# Altium PCB CM4-Tower.PcbDoc (part 1 of 10) (continued)
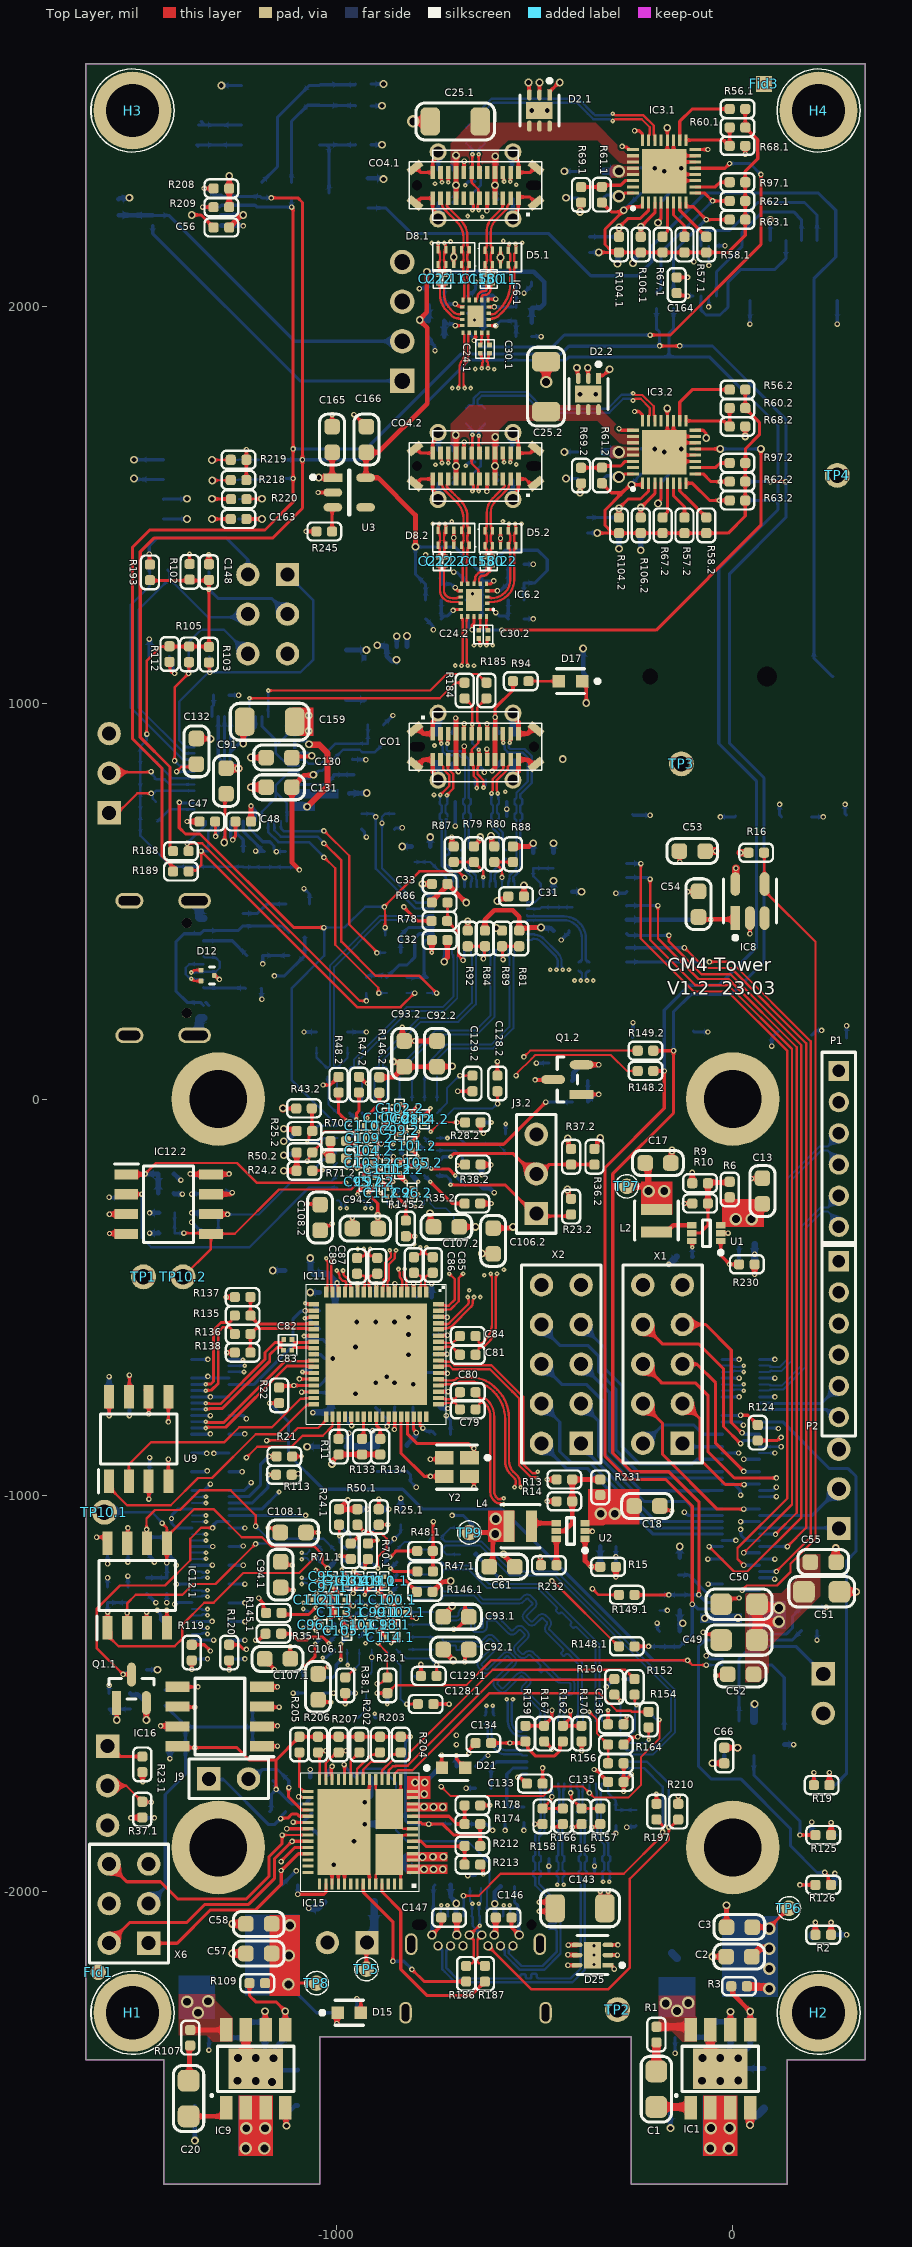
[diagram p0: Top Layer view]
## Classes and differential pairs (continued)
differential pair XDP0.2: +XDP0.2_P -XDP0.2_N
differential pair XDP0.1: +XDP0.1_P -XDP0.1_N
differential pair XAUX.2: +XAUX.2_P -XAUX.2_N
differential pair XAUX.1: +XAUX.1_P -XAUX.1_N
differential pair USB3_DFP_TX.2: +USB3_DFP_TX.2_P -USB3_DFP_TX.2_N
differential pair USB3_DFP_TX.1: +USB3_DFP_TX.1_P -USB3_DFP_TX.1_N
differential pair USB3_DFP_RX_C.2: +USB3_DFP_RX_C.2_P -USB3_DFP_RX_C.2_N
differential pair USB3_DFP_RX_C.1: +USB3_DFP_RX_C.1_P -USB3_DFP_RX_C.1_N
differential pair USB3_DFP_RX.2: +USB3_DFP_RX.2_P -USB3_DFP_RX.2_N
differential pair USB3_DFP_RX.1: +USB3_DFP_RX.1_P -USB3_DFP_RX.1_N
differential pair RX2_DFP.2: +RX2_DFP.2_P -RX2_DFP.2_N
differential pair RX2_DFP.1: +RX2_DFP.1_P -RX2_DFP.1_N
differential pair RX1_DFP.2: +RX1_DFP.2_P -RX1_DFP.2_N
differential pair RX1_DFP.1: +RX1_DFP.1_P -RX1_DFP.1_N
differential pair DP3.2: +DP3.2_P -DP3.2_N
differential pair DP2.2: +DP2.2_P -DP2.2_N
differential pair DP1.2: +DP1.2_P -DP1.2_N
differential pair DP0.2: +DP0.2_P -DP0.2_N
differential pair D_DFP_R.2: +D_DFP_R.2_P -D_DFP_R.2_N
differential pair D_DFP_R.1: +D_DFP_R.1_P -D_DFP_R.1_N
differential pair D_DFP.2: +D_DFP.2_P -D_DFP.2_N
differential pair D_DFP.1: +D_DFP.1_P -D_DFP.1_N
differential pair AUX.2: +AUX.2_P -AUX.2_N
differential pair USB1_TX: +USB1_TX_P -USB1_TX_N
differential pair USB1_RX: +USB1_RX_P -USB1_RX_N
differential pair DP_USB3_RX_C: +DP_USB3_RX_C_P -DP_USB3_RX_C_N
differential pair USB: +USB_P -USB_N
differential pair USB3_RX_C: +USB3_RX_C_P -USB3_RX_C_N
differential pair TX2: +TX2_P -TX2_N
differential pair TX2_C: +TX2_C_P -TX2_C_N
differential pair TX1: +TX1_P -TX1_N
differential pair TX1_C: +TX1_C_P -TX1_C_N
differential pair RX2: +RX2_P -RX2_N
differential pair RX1: +RX1_P -RX1_N
differential pair D: +D_P -D_N
differential pair DP_USB3_TX: +DP_USB3_TX_P -DP_USB3_TX_N
differential pair DP_USB3_RX: +DP_USB3_RX_P -DP_USB3_RX_N
differential pair DP_TX2: +DP_TX2_P -DP_TX2_N
differential pair DP_TX2_C: +DP_TX1_C_P -DP_TX1_C_N
differential pair DP_TX1: +DP_TX1_P -DP_TX1_N
differential pair DP_TX1_C: +DP_TX2_C_P -DP_TX2_C_N
differential pair DP_RX2: +DP_RX2_P -DP_RX2_N
differential pair DP_RX1: +DP_RX1_P -DP_RX1_N
differential pair DP_D: +DP_D_P -DP_D_N
differential pair DP3: +DP3_P -DP3_N
differential pair DP2: +DP2_P -DP2_N
differential pair DP1: +DP1_P -DP1_N
differential pair DP0: +DP0_P -DP0_N
differential pair AUX: +AUX_P -AUX_N
differential pair HDMI1_TD0: +HDMI1_TD0_P -HDMI1_TD0_N
differential pair USB4_TX_C: +USB4_TX_C_P -USB4_TX_C_N
differential pair USB3_TX_C: +USB3_TX_C_P -USB3_TX_C_N
differential pair USB2_TX_C: +USB2_TX_C_P -USB2_TX_C_N
differential pair USB1_TX_C: +USB1_TX_C_P -USB1_TX_C_N
differential pair RX_R: +RX_R_P -RX_R_N
differential pair HDMI1_TD2: +HDMI1_TD2_P -HDMI1_TD2_N
differential pair HDMI1_TD1: +HDMI1_TD1_P -HDMI1_TD1_N
differential pair HDMI1_CK: +HDMI1_CK_P -HDMI1_CK_N
differential pair CLK: +CLK_P -CLK_N
differential pair CLK_R: +CLK_R_P -CLK_R_N
differential pair PCIe_TX: +PCIe_TX_P -PCIe_TX_N
differential pair PCIe_RX: +PCIe_RX_P -PCIe_RX_N
differential pair HDMI0_TD2: +HDMI0_TD2_P -HDMI0_TD2_N
differential pair HDMI0_TD1: +HDMI0_TD1_P -HDMI0_TD1_N
differential pair HDMI0_TD0: +HDMI0_TD0_P -HDMI0_TD0_N
differential pair HDMI0_CK: +HDMI0_CK_P -HDMI0_CK_N

## Components (designator, comment, footprint, x,y, rotation, side; value= is the part's Value field where it differs from the comment)
B1 "BATTERY HOLDER CR1220" BC501SM_CR1220 -70.87,1066.93 r0 bottom locked
C1 "0.1uF" C0805 -193.13,-2500 r270 top value=0.1µF
C2 "10uF" C0603 15.75,-2165.35 r180 top value=10µF
C3 "10uF" C0603 16.67,-2090.91 r180 top value=10µF
C4 "10uF" C1206 -94.49,-2539.37 r180 bottom value=10µF
C5 "0.1uF" C0805 78.74,-2503.94 r90 bottom value=0.1µF
C6 "1nF" C0402 -5.25,-2349.44 r270 bottom
C7 "1.2nF" C0402 -125.98,-2370.08 r180 bottom
C8 "10uF" C0603 -822.84,-907.34 r270 bottom value=10µF
C9 "1uF" C0603 -1098.43,-433.07 r180 bottom
C10 "0.1uF" C0402 -818.9,-690.66 r180 bottom
C11 "0.1uF" C0402 -775.59,-549.07 r180 bottom
C12 "0.1uF" C0402 -854.33,-517.57 r270 bottom
C13 "10uF" C0603 74.8,-232.28 r90 top value=10µF
C14 "0.1uF" C0402 -807.09,-757.73 r90 bottom
C15 "0.1uF" C0402 -1023.62,-488.42 r180 bottom
C16 "33pF" C0402 35.43,-417.32 r180 bottom
C17 "10uF" C0603 -188.98,-161.42 r0 top value=10µF
C18 "10uF" C0603 -216.54,-1027.56 r0 top value=10µF
C19 "33pF" C0402 -314.96,-1129.92 r180 bottom
C20 "0.1uF" C0805 -1374.02,-2523.62 r270 top value=0.1µF
C21.1 "0.1uF" C0201 -744.09,2070.87 r270 top (schematic designator C21)
C21.2 "0.1uF" C0201 -744.09,1358.27 r270 top (schematic designator C21)
C22.1 "0.1uF" C0201 -724.41,2070.87 r270 top (schematic designator C22)
C22.2 "0.1uF" C0201 -724.41,1358.27 r270 top (schematic designator C22)
C23.1 "0.1uF" C0402 -649.61,1984.25 r180 bottom (schematic designator C23)
C23.2 "0.1uF" C0402 -653.54,1307.09 r180 bottom (schematic designator C23)
C24.1 "0.1uF" C0201 -614.17,1893.7 r270 top (schematic designator C24)
C24.2 "0.1uF" C0201 -618.11,1173.23 r270 top (schematic designator C24)
C25.1 "10uF" C1206 -700.79,2468.5 r180 top value=10µF (schematic designator C25)
C25.2 "10uF" C1206 -471.43,1798.75 r90 top value=10µF (schematic designator C25)
C26.1 "10nF" C0402 -578.74,2346.46 r0 bottom (schematic designator C26)
C26.2 "10nF" C0402 -578.74,1637.61 r0 bottom (schematic designator C26)
C27.1 "10nF" C0402 -724.41,2263.78 r180 bottom (schematic designator C27)
C27.2 "10nF" C0402 -724.41,1554.93 r180 bottom (schematic designator C27)
C28.1 "10nF" C0402 -724.41,2346.46 r180 bottom (schematic designator C28)
C28.2 "10nF" C0402 -724.41,1637.61 r180 bottom (schematic designator C28)
C29.1 "10nF" C0402 -574.8,2271.65 r0 bottom (schematic designator C29)
C29.2 "10nF" C0402 -574.8,1562.81 r0 bottom (schematic designator C29)
C30.1 "0.1uF" C0201 -637.8,1893.7 r270 top (schematic designator C30)
C30.2 "0.1uF" C0201 -641.73,1173.23 r270 top (schematic designator C30)
C31 "0.1uF" C0402 -547.24,511.81 r180 top
C32 "0.1uF" C0402 -740.16,401.57 r180 top
C33 "0.1uF" C0402 -740.16,543.31 r0 top
C34 "0.1uF" C0402 -433.07,425.2 r0 bottom
C35 "0.1uF" C0201 -572.85,617.58 r270 bottom
C36 "0.1uF" C0201 -389.76,334.65 r270 bottom
C37 "10uF" C1206 -976.38,1070.87 r90 bottom value=10µF
C38 "10nF" C0402 -728.35,846.46 r180 bottom
C39 "10nF" C0402 -564.57,853.78 r0 bottom
C40 "10nF" C0402 -728.35,925.2 r180 bottom
C41 "10nF" C0402 -570.87,925.2 r0 bottom
C42 "0.1uF" C0201 -600.85,617.58 r270 bottom
C43 "0.1uF" C0201 -362.2,334.65 r270 bottom
C44 "0.1uF" C0201 -685.43,618.11 r270 bottom
C45 "0.1uF" C0201 -657.09,618.11 r270 bottom
C46 "10uF" C1206 -968.5,-2027.56 r180 bottom value=10µF
C47 "220pF" C0402 -1326.77,700.79 r180 top
C48 "220pF" C0402 -1236.22,700.79 r0 top
C49 "47uF" C0805 15.75,-1366.14 r180 top value=47µF
C50 "47uF" C0805 15.75,-1275.59 r180 top value=47µF
C51 "47uF" C0805 224.41,-1244.09 r0 top value=47µF
C52 "10uF" C0603 19.69,-1452.76 r180 top value=10µF
C53 "10uF" C0603 -102.36,625.98 r180 top value=10µF
C54 "10uF" C0603 -86.61,492.13 r90 top value=10µF
C55 "1uF" C0603 228.35,-1169.29 r0 top
C56 "0.1uF" C0402 -1291.34,2200.79 r180 top
C57 "10uF" C0603 -1196.85,-2157.48 r180 top value=10µF
C58 "10uF" C0603 -1196.85,-2082.68 r180 top value=10µF
C59 "0.1uF" C0402 -995.3,-626.64 r0 bottom
C60 "0.1uF" C0402 -853.16,-757.73 r90 bottom
C61 "10uF" C0603 -582.68,-1181.1 r0 top value=10µF
C62 "10uF" C1206 -1295.26,-2543.34 r180 bottom value=10µF
C63 "0.1uF" C0805 -1111.2,-2496.44 r90 bottom value=0.1µF
C64 "56pF" C0402 -1181.09,-2350.43 r270 bottom
C65 "2.7nF" C0402 -1303.15,-2370.08 r180 bottom
C66 "0.1uF" C0402 -21.65,-1657.5 r270 top
C67 "0.1uF" C0402 -995.3,-744.92 r0 bottom
C68 "10uF" C0603 -897.65,-908.02 r270 bottom value=10µF
C69 "1uF" C0603 -1007.11,-877.61 r180 bottom
C70 "0.1uF" C0402 -901.57,-759.84 r90 bottom
C71 "0.1uF" C0402 -779.53,-499.97 r0 bottom
C72 "0.1uF" C0402 -1066.16,-661.07 r90 bottom
C73 "0.1uF" C0402 -775.59,-595.14 r180 bottom
C74 "0.1uF" C0402 -948.82,-517.58 r270 bottom
C75 "0.1uF" C0402 -775.59,-644.59 r180 bottom
C76 "0.1uF" C0402 -740.16,-757.73 r270 bottom
C77 "0.1uF" C0402 -902.75,-517.58 r270 bottom
C78 "0.1uF" C0402 -1574.8,-751.97 r270 bottom
C79 "0.1uF" C0402 -669.29,-783.46 r180 top
C80 "0.1uF" C0402 -669.29,-740.16 r180 top
C81 "0.1uF" C0402 -669.29,-645.67 r180 top
C82 "0.1uF" C0201 -1123.43,-607.35 r180 top
C83 "0.1uF" C0201 -1124.2,-634.54 r180 top
C84 "0.1uF" C0402 -669.29,-598.43 r180 top
C85 "0.1uF" C0402 -757.55,-419.02 r270 top
C86 "0.1uF" C0402 -805.35,-419.02 r270 top
C87 "0.1uF" C0402 -897.64,-421.26 r270 top
C88 "12pF" C0402 -653.54,-929.13 r270 bottom
C89 "0.1uF" C0402 -948.82,-421.26 r270 top
C90 "12pF" C0402 -732.28,-929.13 r90 bottom
C91 "10uF" C0603 -1279.53,803.15 r90 top value=10µF
C92.1 "10uF" C0603 -699.03,-1389.94 r0 top value=10µF (schematic designator C92)
C92.2 "10uF" C0603 -746.9,114.17 r90 top value=10µF (schematic designator C92)
C93.1 "10uF" C0603 -699.03,-1307.27 r0 top value=10µF (schematic designator C93)
C93.2 "10uF" C0603 -829.57,114.17 r90 top value=10µF (schematic designator C93)
C94.1 "10uF" C0603 -1141.73,-1200.79 r90 top value=10µF (schematic designator C94)
C94.2 "10uF" C0603 -928,-326.77 r180 top value=10µF (schematic designator C94)
C95.1 "0.1uF" C0201 -1021.87,-1204.9 r0 top (schematic designator C95)
C95.2 "0.1uF" C0201 -931.93,-208.66 r90 top (schematic designator C95)
C96.1 "0.1uF" C0201 -1049.43,-1326.95 r180 top (schematic designator C96)
C96.2 "0.1uF" C0201 -809.89,-236.22 r270 top (schematic designator C96)
C97.1 "0.1uF" C0201 -1021.87,-1232.46 r0 top (schematic designator C97)
C97.2 "0.1uF" C0201 -904.38,-208.66 r90 top (schematic designator C97)
C98.1 "0.1uF" C0201 -864.39,-1326.95 r180 top (schematic designator C98)
C98.2 "0.1uF" C0201 -809.89,-51.18 r270 top (schematic designator C98)
C99.1 "0.1uF" C0201 -891.95,-1295.46 r180 top (schematic designator C99)
C99.2 "0.1uF" C0201 -841.38,-78.74 r270 top (schematic designator C99)
C100.1 "0.1uF" C0201 -860.45,-1263.96 r180 top (schematic designator C100)
C100.2 "0.1uF" C0201 -872.88,-47.24 r270 top (schematic designator C100)
C101.1 "0.1uF" C0201 -931.32,-1326.95 r0 top (schematic designator C101)
C101.2 "0.1uF" C0201 -809.89,-118.11 r90 top (schematic designator C101)
C102.1 "0.1uF" C0201 -836.83,-1295.46 r0 top (schematic designator C102)
C102.2 "0.1uF" C0201 -841.38,-23.62 r90 top (schematic designator C102)
C103.1 "0.1uF" C0201 -974.62,-1216.72 r270 top (schematic designator C103)
C103.2 "0.1uF" C0201 -920.12,-161.42 r0 top (schematic designator C103)
C104.1 "0.1uF" C0201 -943.13,-1216.72 r270 top (schematic designator C104)
C104.2 "0.1uF" C0201 -920.12,-129.92 r0 top (schematic designator C104)
C105.1 "0.1uF" C0201 -974.62,-1342.7 r270 top (schematic designator C105)
C105.2 "0.1uF" C0201 -794.14,-161.42 r0 top (schematic designator C105)
C106.1 "10uF" C0603 -1047.24,-1484.25 r90 top value=10µF (schematic designator C106)
C106.2 "10uF" C0603 -605.16,-358.27 r270 top value=10µF (schematic designator C106)
C107.1 "10uF" C0603 -1149.61,-1413.39 r180 top value=10µF (schematic designator C107)
C107.2 "10uF" C0603 -723.27,-322.83 r180 top value=10µF (schematic designator C107)
C108.1 "10uF" C0603 -1110.24,-1094.49 r180 top value=10µF (schematic designator C108)
C108.2 "10uF" C0603 -1042.17,-299.21 r270 top value=10µF (schematic designator C108)
C109.1 "0.1uF" C0201 -911.63,-1218.09 r270 top (schematic designator C109)
C109.2 "0.1uF" C0201 -918.75,-98.43 r0 top (schematic designator C109)
C110.1 "0.1uF" C0201 -880.14,-1216.72 r270 top (schematic designator C110)
C110.2 "0.1uF" C0201 -920.12,-66.93 r0 top (schematic designator C110)
C111.1 "0.1uF" C0201 -990.37,-1263.96 r0 top (schematic designator C111)
C111.2 "0.1uF" C0201 -872.88,-177.17 r90 top (schematic designator C111)
C112.1 "0.1uF" C0201 -1049.43,-1263.96 r180 top (schematic designator C112)
C112.2 "0.1uF" C0201 -872.88,-236.22 r270 top (schematic designator C112)
C113.1 "0.1uF" C0201 -990.37,-1295.46 r0 top (schematic designator C113)
C113.2 "0.1uF" C0201 -841.38,-177.17 r90 top (schematic designator C113)
C114.1 "0.1uF" C0201 -864.39,-1358.45 r180 top (schematic designator C114)
C114.2 "0.1uF" C0201 -778.39,-51.18 r270 top (schematic designator C114)
C115.1 "0.1uF" C0201 -746.25,-1106.65 r180 bottom (schematic designator C115)
C115.2 "0.1uF" C0201 -1023.62,66.93 r270 bottom (schematic designator C115)
C116.1 "0.1uF" C0201 -745.47,-1137.8 r180 bottom (schematic designator C116)
C116.2 "0.1uF" C0201 -1000,66.93 r270 bottom (schematic designator C116)
C117.1 "0.1uF" C0402 -1578.74,-1125.98 r90 bottom (schematic designator C117)
C117.2 "0.1uF" C0402 -1342.39,-216.67 r90 bottom (schematic designator C117)
C118.1 "0.1uF" C0201 -746.28,-1169.47 r180 bottom (schematic designator C118)
C118.2 "0.1uF" C0201 -967.37,66.93 r270 bottom (schematic designator C118)
C119.1 "0.1uF" C0201 -746.28,-1200.97 r180 bottom (schematic designator C119)
C119.2 "0.1uF" C0201 -935.87,66.93 r270 bottom (schematic designator C119)
C120.1 "0.1uF" C0201 -746.28,-1232.46 r180 bottom (schematic designator C120)
C120.2 "0.1uF" C0201 -904.38,66.93 r270 bottom (schematic designator C120)
C121.1 "0.1uF" C0201 -746.28,-1263.96 r180 bottom (schematic designator C121)
C121.2 "0.1uF" C0201 -872.88,66.93 r270 bottom (schematic designator C121)
C122.1 "0.1uF" C0201 -746.28,-1295.46 r180 bottom (schematic designator C122)
C122.2 "0.1uF" C0201 -841.38,66.93 r270 bottom (schematic designator C122)
C123.1 "0.1uF" C0201 -746.28,-1326.95 r180 bottom (schematic designator C123)
C123.2 "0.1uF" C0201 -809.89,66.93 r270 bottom (schematic designator C123)
C124.1 "0.1uF" C0201 -746.28,-1358.45 r180 bottom (schematic designator C124)
C124.2 "0.1uF" C0201 -778.39,66.93 r270 bottom (schematic designator C124)
C125.1 "0.1uF" C0201 -746.28,-1389.94 r180 bottom (schematic designator C125)
C125.2 "0.1uF" C0201 -746.9,66.93 r270 bottom (schematic designator C125)
C126.1 "0.1uF" C0402 -649.61,2027.56 r180 bottom (schematic designator C126)
C126.2 "0.1uF" C0402 -653.54,1259.84 r180 bottom (schematic designator C126)
C127.1 "10uF" C0603 -358.27,2342.52 r180 bottom value=10µF (schematic designator C127)
C127.2 "10uF" C0603 -358.27,1633.67 r180 bottom value=10µF (schematic designator C127)
C128.1 "22pF" C0402 -775.59,-1527.56 r180 top (schematic designator C128)
C128.2 "22pF" C0402 -594.49,39.37 r270 top (schematic designator C128)
C129.1 "22pF" C0402 -767.72,-1456.69 r0 top (schematic designator C129)
C129.2 "22pF" C0402 -657.48,39.37 r90 top (schematic designator C129)
C130 "10uF" C0603 -1145.67,862.2 r180 top value=10µF
C131 "10uF" C0603 -1145.67,787.4 r180 top value=10µF
C132 "10uF" C0603 -1354.33,877.95 r90 top value=10µF
C133 "0.1uF" C0402 -500,-1728.35 r0 top
C134 "0.1uF" C0402 -629.92,-1625.98 r180 top
C135 "0.1uF" C0402 -295.28,-1724.41 r180 top
C136 "0.1uF" C0402 -295.28,-1578.74 r0 top
C137 "0.1uF" C0201 -444.88,-1811.02 r90 bottom
C138 "0.1uF" C0201 -602.36,-1566.93 r90 bottom
C139 "0.1uF" C0201 -421.26,-1811.02 r90 bottom
C140 "0.1uF" C0201 -625.98,-1566.93 r90 bottom
C141 "0.1uF" C0201 -370.08,-1811.02 r90 bottom
C142 "0.1uF" C0201 -393.7,-1811.02 r90 bottom
C143 "10uF" C1206 -385.83,-2043.31 r0 top value=10µF
C144 "10nF" C0402 -566.93,-1988.19 r0 bottom
C145 "10nF" C0402 -732.28,-1984.25 r180 bottom
C146 "10nF" C0402 -578.74,-2066.93 r0 top
C147 "10nF" C0402 -716.54,-2066.93 r180 top
C148 "0.1uF" C0402 -1322.83,1330.71 r90 top
C149 "0.1uF" C0402 -692.91,-1830.71 r0 bottom
C150.1 "0.1uF" C0201 -606.55,2070.41 r270 top (schematic designator C150)
C150.2 "0.1uF" C0201 -606.3,1358.27 r270 top (schematic designator C150)
C151 "10uF" C0603 -849.41,-1830.71 r180 bottom value=10µF
C152 "10uF" C0603 -1039.37,-1897.64 r270 bottom value=10µF
C153 "220pF" C0402 -1047.24,-1712.6 r180 bottom
C154 "220pF" C0402 -933.07,-1712.6 r0 bottom
C155.1 "10uF" C0603 -358.27,2275.59 r180 bottom value=10µF (schematic designator C155)
C155.2 "10uF" C0603 -358.27,1566.74 r180 bottom value=10µF (schematic designator C155)
C156.1 "10uF" C0603 -161.42,2318.9 r90 bottom value=10µF (schematic designator C156)
C156.2 "10uF" C0603 -161.42,1610.05 r90 bottom value=10µF (schematic designator C156)
C157.1 "10uF" C0603 -232.28,2318.9 r90 bottom value=10µF (schematic designator C157)
C157.2 "10uF" C0603 -232.28,1610.05 r90 bottom value=10µF (schematic designator C157)
C158.1 "0.1uF" C0201 -626.11,2070.79 r270 top (schematic designator C158)
C158.2 "0.1uF" C0201 -625.98,1358.27 r270 top (schematic designator C158)
C159 "10uF" C1206 -1169.29,952.76 r180 top value=10µF
C160 "0.1uF" C0402 -1401.57,-1637.8 r180 bottom
C161 "10uF" C1206 -897.64,-1925.2 r180 bottom value=10µF
C162 "0.1uF" C0402 -933.07,2409.45 r0 bottom
C163 "0.1uF" C0402 -1248.03,1464.57 r180 top
C164 "0.1uF" C0402 -141.73,2055.12 r270 top
C165 "1uF" C0603 -1011.81,1665.35 r90 top
C166 "1uF" C0603 -925.2,1665.35 r90 top
CO1 "USB4070-30-C" USB4070-30-C -649.61,889.76 r0 top locked
CO3 "µSD-Card" 693071030811 0,437.01 r270 bottom
CO4.1 "USB4070-30-C" USB4070-30-C -649.61,2307.09 r180 top locked (schematic designator CO4)
CO4.2 "USB4070-30-C" USB4070-30-C -649.61,1598.43 r180 top locked (schematic designator CO4)
CO5 "USB4056-03-A" USB4056-03-A -649.61,-2307.09 r180 bottom locked
D1 "GREEN" LED_0603 228.35,-2110.24 r180 bottom
D2.1 "TVS2200DRVR" TVS2200D_SON_6 -488.19,2496.06 r270 top value=105pF (schematic designator D2)
D2.2 "TVS2200DRVR" TVS2200D_SON_6 -364.68,1780.08 r270 top value=105pF (schematic designator D2)
D3.1 "BAT41KFILM" BAT41KFILM_SOD-523-2 -927.38,-1563.17 r0 bottom value=3pF (schematic designator D3)
D3.2 "BAT41KFILM" BAT41KFILM_SOD-523-2 -573.67,-114.17 r90 bottom value=3pF (schematic designator D3)
D4.1 "TPD2EUSB30DRTR" TPD2EUSB30DRTR_SOT-3 -650.52,2333.77 r270 bottom (schematic designator D4)
D4.2 "TPD2EUSB30DRTR" TPD2EUSB30DRTR_SOT-3 -650.52,1624.92 r270 bottom (schematic designator D4)
D5.1 "PUSB3FA2Z" PUSB3FA2Z_DFN_2510_10 -586.61,2125 r0 top (schematic designator D5)
D5.2 "PUSB3FA2Z" PUSB3FA2Z_DFN_2510_10 -586.61,1416.15 r0 top (schematic designator D5)
D6 "TPD2EUSB30DRTR" TPD2EUSB30DRTR_SOT-3 -637.8,822.83 r90 bottom
D7 "PUSB3FA2Z" PUSB3FA2Z_DFN_2510_10 -700.79,732.28 r180 bottom
D8.1 "PUSB3FA2Z" PUSB3FA2Z_DFN_2510_10 -704.72,2125.98 r180 top (schematic designator D8)
D8.2 "PUSB3FA2Z" PUSB3FA2Z_DFN_2510_10 -704.72,1417.14 r180 top (schematic designator D8)
D9 "PUSB3FA2Z" PUSB3FA2Z_DFN_2510_10 -570.87,732.28 r180 bottom
D10 "GREEN" LED_0603 228.35,-1732.28 r180 bottom
D11 "GREEN" LED_0603 -1098.43,492.13 r180 bottom
D12 "TPD2EUSB30DRTR" TPD2EUSB30DRTR_SOT-3 -1325.85,311.84 r0 top
D13 "GREEN" LED_0603 228.35,-1858.27 r180 bottom
D14 "GREEN" LED_0603 228.35,-1984.25 r180 bottom
D15 "GREEN" LED_0603 -968.5,-2307.09 r0 top
D17 "GREEN" LED_0603 -409.45,1055.12 r180 top
D19 "TPD2EUSB30DRTR" TPD2EUSB30DRTR_SOT-3 -649.61,-1976.38 r90 bottom
D20 "PUSB3FA2Z" PUSB3FA2Z_DFN_2510_10 -464.57,-1937.01 r0 bottom
D21 "GREEN" LED_0603 -704.72,-1688.98 r0 top
D22 "PUSB3FA2Z" PUSB3FA2Z_DFN_2510_10 -349.23,-1937.01 r180 bottom
D24 "TVS2200DRVR" TVS2200D_SON_6 -848.43,1102.34 r270 bottom value=105pF
D25 "TVS2200DRVR" TVS2200D_SON_6 -354.33,-2161.42 r180 top value=105pF
D26 "BAT54C" BAT54C_SOT_23_3 -964.57,2287.4 r180 bottom value=10pF
Fid1 "Fiducial" FidR_1.0mm -1602.36,-2204.72 r0 top
Fid2 "Fiducial" FidR_1.0mm 295.28,-2179.13 r180 bottom locked
Fid3 "Fiducial" FidS_1.0mm 78.74,2562.99 r0 top locked
Fid4 "Fiducial" FidS_1.0mm -1594.49,2338.58 r180 bottom locked
H1 "Hole M3" HOLE_M3 -1515.75,-2307.09 r0 top locked
H2 "Hole M3" HOLE_M3 216.54,-2307.09 r0 top locked
H3 "Hole M3" HOLE_M3 -1515.75,2496.06 r0 top locked
H4 "Hole M3" HOLE_M3 216.54,2496.06 r0 top locked
IC1 "AP64501SP-13" AP64501SP-13_SOIC_8 -31.5,-2448.82 r0 top
IC2.1 "STDP2600" STDP2600_BGA-81 -943.13,-1263.96 r270 bottom (schematic designator IC2)
IC2.2 "STDP2600" STDP2600_BGA-81 -872.88,-129.92 r0 bottom (schematic designator IC2)
IC3.1 "TPS25814RSMR" TPS25814RSMR_VQFN_32 -173.23,2342.52 r90 top (schematic designator IC3)
IC3.2 "TPS25814RSMR" TPS25814RSMR_VQFN_32 -173.23,1633.67 r90 top (schematic designator IC3)
IC4 "TUSB1046-DCIRNQR" TUSB1046_WQFN_40 -637.8,456.69 r180 bottom
IC5 "MX25L8006EM1I-12G" SOIC127P600X175-8N -1397.17,1224.26 r90 bottom
IC6.1 "TUSB542RWQR" TUSB542_X2QFN_18 -649.61,1976.38 r180 top (schematic designator IC6)
IC6.2 "TUSB542RWQR" TUSB542_X2QFN_18 -653.54,1259.84 r180 top (schematic designator IC6)
IC7 "EMC2301" EMC2301-1-ACZL-TR_MSOP-8 -1377.95,2244.09 r270 bottom
IC8 "RT9742" RT9742GGJ5_SOT_23_5 43.31,500 r90 top
IC9 "AP64501SP-13" AP64501SP-13_SOIC_8 -1204.51,-2448.85 r0 top
IC11 "VL805-Q6" VL805-Q6_QFN-68G -900.4,-644.56 r270 top locked
IC12.1 "SST25PF020B-80-4C-SAE" SST25PF020B-80-4C-SAE_SOIC_8 -1503.94,-1228.35 r90 top (schematic designator IC12)
IC12.2 "SST25PF020B-80-4C-SAE" SST25PF020B-80-4C-SAE_SOIC_8 -1424.59,-265.29 r0 top (schematic designator IC12)
IC13 "TPS65987DDHRSHR" TPS65987D_VQFN-56 -1228.35,833.66 r180 bottom
IC14 "TUSB1046-DCIRNQR" TUSB1046_WQFN_40 -401.57,-1649.61 r0 bottom locked
IC15 "TPS65987DDHRSHR" TPS65987D_VQFN-56 -940.94,-1850.39 r180 top locked
IC16 "MX25L8006EM1I-12G" SOIC127P600X175-8N -1295.28,-1559.06 r180 top
J1 "PLS-3" PLS-3-3D 267.72,-1084.25 r90 bottom
J2 "PLS-2" PLS-2-3D 228.35,-1451.18 r270 bottom
J3.1 "PLS-3" PLS-3-3D -1578.74,-1633.86 r270 bottom (schematic designator J3)
J3.2 "PLS-3" PLS-3-3D -496.06,-288.98 r90 top (schematic designator J3)
J4 "PLS-3" PLS-3-3D -1574.8,722.83 r90 bottom
J5 "CM4-1" CM4_CON_A 20.08,-1043.31 r90 bottom locked
J6 "CM4-1" CM4_CON_B -1319.29,-1043.31 r90 bottom locked
J7 "22-05-3041" FP-22-05-3041-MFG -1113.09,1963.39 r90 bottom locked
J8 "SM04B-SRSS-TB" SM04B 153.54,1988.19 r0 bottom
J9 "PLS-2" PLS-2-3D -1322.83,-1716.54 r0 top
J11 "PLS-2" PLS-2-3D -923.62,-2129.92 r180 bottom
J12 "USB4105-GF-A" USB4105-GF-A -1478.44,330.71 r90 bottom locked
L1 "SRN6045TA-3R3Y" SRN6045TA -59.06,-2169.29 r0 bottom
L2 "NRH2410T1R0NN4" NRH2410 -192.91,-307.09 r90 top value=1uH
L3 "SRN6045TA-3R3Y" SRN6045TA -1271.65,-2165.35 r0 bottom
L4 "NRH2410T1R0NN4" NRH2410 -536.42,-1078.74 r180 top value=1uH
MO1 "CM4_module" CM4_step -602.36,41866.14 r90 bottom
P1 "62000611121" 62000611121 267.72,-125.98 r270 top
P2 "62000611121" 62000611121 267.72,-606.3 r270 top
Q1.1 "FDV301N" FDV301N_SOT_23 -1518.16,-1488.91 r90 top (schematic designator Q1)
Q1.2 "FDV301N" FDV301N_SOT_23 -417.72,49.21 r180 top (schematic designator Q1)
R1 "100" R0402#1 -132.28,-2361.42 r90 top
R2 "150" R0402#1 227.56,-2049.61 r180 top
R3 "12K" R0402#1 14.96,-2179.53 r180 top
R4 "20K" R0402#1 6.38,-2350.23 r270 bottom
R5 "2.2K" R0402#1 104.38,-2350.23 r270 bottom
R6 "0" R0402#1 52.76,-227.56 r90 top
R7 "10k" R0402#1 -1462.99,-752.76 r270 bottom value=10K
R8 "0" R0402#1 -122.83,-458.27 r180 bottom
R9 "15K" R0402#1 -81.89,-273.23 r0 top
R10 "15K" R0402#1 -83.46,-203.15 r180 top
R11 "10k" R0402#1 -1055.93,-878.4 r270 top value=10K
R12 "200K" R0402#1 -315.75,-1241.73 r180 bottom
R13 "15K" R0402#1 -424.41,-1021.26 r0 top
R14 "15K" R0402#1 -425.98,-955.12 r180 top
R15 "200K" R0402#1 -314.17,-1241.73 r0 top
R16 "12K" R0402#1 59.84,561.42 r0 top
R17 "2.2K" R0402#1 -1099.7,481.89 r0 bottom
R18 "2.2K" R0402#1 -1101.28,301.57 r180 bottom
R19 "150" R0402#1 225.2,-1792.91 r0 top
R20 "150" R0402#1 -1296.85,449.61 r90 bottom
R21 "2.2K" R0402#1 -1133.18,-841.67 r180 top
R22 "0" R0402#1 -1085.04,-747.24 r90 top
R23.1 "2K" R0402#1 -1551.56,-1680.73 r270 top (schematic designator R23)
R23.2 "2K" R0402#1 -347.68,-270.87 r90 top (schematic designator R23)
R24.1 "20K" R0402#1 -933.68,-1054.51 r90 top (schematic designator R24)
R24.2 "20K" R0402#1 -1082.33,-120.47 r180 top (schematic designator R24)
R25.1 "4.7K" R0402#1 -833.29,-1054.51 r90 top (schematic designator R25)
R25.2 "4.7K" R0402#1 -1082.33,-20.08 r180 top (schematic designator R25)
R26.1 "20K" R0402#1 -1054.94,-1054.51 r90 bottom (schematic designator R26)
R26.2 "20K" R0402#1 -1082.33,-241.73 r180 bottom (schematic designator R26)
R27.1 "10k" R0402#1 -1466.93,-1126.77 r270 bottom value=10K (schematic designator R27)
R27.2 "10k" R0402#1 -1351.84,-215.88 r90 bottom value=10K (schematic designator R27)
R28.1 "0" R0402#1 -811.63,-1479.71 r90 top (schematic designator R28)
R28.2 "0" R0402#1 -657.13,1.57 r180 top (schematic designator R28)
R29.1 "1K" R0402#1 -1500.79,-1501.57 r180 bottom (schematic designator R29)
R29.2 "1K" R0402#1 -403.94,70.08 r270 bottom (schematic designator R29)
R30.1 "1K" R0402#1 -1635.88,-1520.02 r90 bottom (schematic designator R30)
R30.2 "1K" R0402#1 -386.61,-68.5 r180 bottom (schematic designator R30)
R31.1 "100k" R0402#1 -668.5,-1022.05 r0 bottom value=100K (schematic designator R31)
R31.2 "100k" R0402#1 -1111.81,150.39 r90 bottom value=100K (schematic designator R31)
R32.1 "20K" R0402#1 -1581.89,-1520.02 r90 bottom (schematic designator R32)
R32.2 "20K" R0402#1 -386.61,-14.52 r180 bottom (schematic designator R32)
R33.1 "100k" R0402#1 -668.5,-1088.98 r0 bottom value=100K (schematic designator R33)
R33.2 "100k" R0402#1 -1033.07,150.39 r90 bottom value=100K (schematic designator R33)
R34.1 "47K" R0402#1 -777.95,-1055.91 r270 bottom (schematic designator R34)
R34.2 "47K" R0402#1 -1080.75,-20.08 r0 bottom (schematic designator R34)
R35.1 "1M" R0402#1 -1159.19,-1410.63 r0 top (schematic designator R35)
R35.2 "1M" R0402#1 -658.27,-203.15 r180 top (schematic designator R35)
R36.1 "4.7K" R0402#1 -1551.56,-1794.32 r90 bottom (schematic designator R36)
R36.2 "4.7K" R0402#1 -409.89,-146.46 r270 top (schematic designator R36)
R37.1 "4.7K" R0402#1 -1551.56,-1794.9 r270 top (schematic designator R37)
R37.2 "4.7K" R0402#1 -347.68,-144.88 r90 top (schematic designator R37)
R38.1 "4.7K" R0402#1 -917.93,-1479.71 r90 top (schematic designator R38)
R38.2 "4.7K" R0402#1 -657.13,-104.72 r180 top (schematic designator R38)
R39.1 "4.7K" R0402#1 -917.93,-1481.28 r270 bottom (schematic designator R39)
R39.2 "4.7K" R0402#1 -655.56,-104.72 r0 bottom (schematic designator R39)
R40.1 "4.7K" R0402#1 -1540.95,-1125.2 r90 bottom (schematic designator R40)
R40.2 "4.7K" R0402#1 -1317.98,-230.84 r0 bottom (schematic designator R40)
R41.1 "4.7K" R0402#1 -1368.5,-1126.77 r270 bottom (schematic designator R41)
R41.2 "4.7K" R0402#1 -1319.55,-399.34 r180 bottom (schematic designator R41)
R42.1 "10k" R0402#1 -1024.23,-1481.28 r270 bottom value=10K (schematic designator R42)
R42.2 "10k" R0402#1 -725.2,-383.46 r180 bottom value=10K (schematic designator R42)
R43.1 "1M" R0402#1 -833.29,-1056.09 r270 bottom (schematic designator R43)
R43.2 "1M" R0402#1 -1081.89,-84.25 r0 top (schematic designator R43)
R44 "2M" R0402#2 -854.33,700.79 r270 bottom
R45.1 "4.7K" R0402#1 -1540.94,-1227.56 r90 bottom (schematic designator R45)
R45.2 "4.7K" R0402#1 -1428.35,-226.77 r0 bottom (schematic designator R45)
R46.1 "4.7K" R0402#1 -1368.5,-1229.13 r270 bottom (schematic designator R46)
R46.2 "4.7K" R0402#1 -1429.92,-399.21 r180 bottom (schematic designator R46)
R47.1 "20K" R0402#1 -777.56,-1132.07 r180 top (schematic designator R47)
R47.2 "20K" R0402#1 -1004.77,35.65 r270 top (schematic designator R47)
R48.1 "20K" R0402#1 -777.96,-1080.64 r180 top (schematic designator R48)
R48.2 "20K" R0402#1 -1056.2,35.25 r270 top (schematic designator R48)
R49.1 "4.7K" R0402#1 -887.42,-1056.09 r270 bottom (schematic designator R49)
R49.2 "4.7K" R0402#1 -1080.75,-74.21 r0 bottom (schematic designator R49)
R50.1 "4.7K" R0402#1 -887.42,-1054.51 r90 top (schematic designator R50)
R50.2 "4.7K" R0402#1 -1082.33,-74.21 r180 top (schematic designator R50)
R51.1 "4.7K" R0402#1 -1466.93,-1252.76 r270 bottom (schematic designator R51)
R51.2 "4.7K" R0402#1 -1431.76,-298.82 r180 bottom (schematic designator R51)
R52.1 "4.7K" R0402#1 -1639.37,-1251.18 r90 bottom (schematic designator R52)
R52.2 "4.7K" R0402#1 -1430.18,-128.48 r0 bottom (schematic designator R52)
R53.1 "27K" R0402#1 -986.04,-1479.71 r90 bottom (schematic designator R53)
R53.2 "27K" R0402#1 -657.13,-172.83 r180 bottom (schematic designator R53)
R54.1 "20K" R0402#1 -1092.34,-1479.71 r90 bottom (schematic designator R54)
R54.2 "20K" R0402#1 -657.13,-279.13 r180 bottom (schematic designator R54)
R55.1 "10k" R0402#1 -650.39,1876.38 r180 bottom value=10K (schematic designator R55)
R55.2 "10k" R0402#1 -652.11,1152.95 r180 bottom value=10K (schematic designator R55)
R56.1 "10k" R0402#1 11.02,2560.63 r180 top value=10K (schematic designator R56)
R56.2 "10k" R0402#1 11.02,1851.78 r180 top value=10K (schematic designator R56)
R57.1 "10k" R0402#1 -61.42,2158.27 r90 top value=10K (schematic designator R57)
R57.2 "10k" R0402#1 -61.42,1449.42 r90 top value=10K (schematic designator R57)
R58.1 "10k" R0402#1 -6.3,2158.27 r90 top value=10K (schematic designator R58)